# KiCad board weisse_cpu.kicad_pcb (continued)
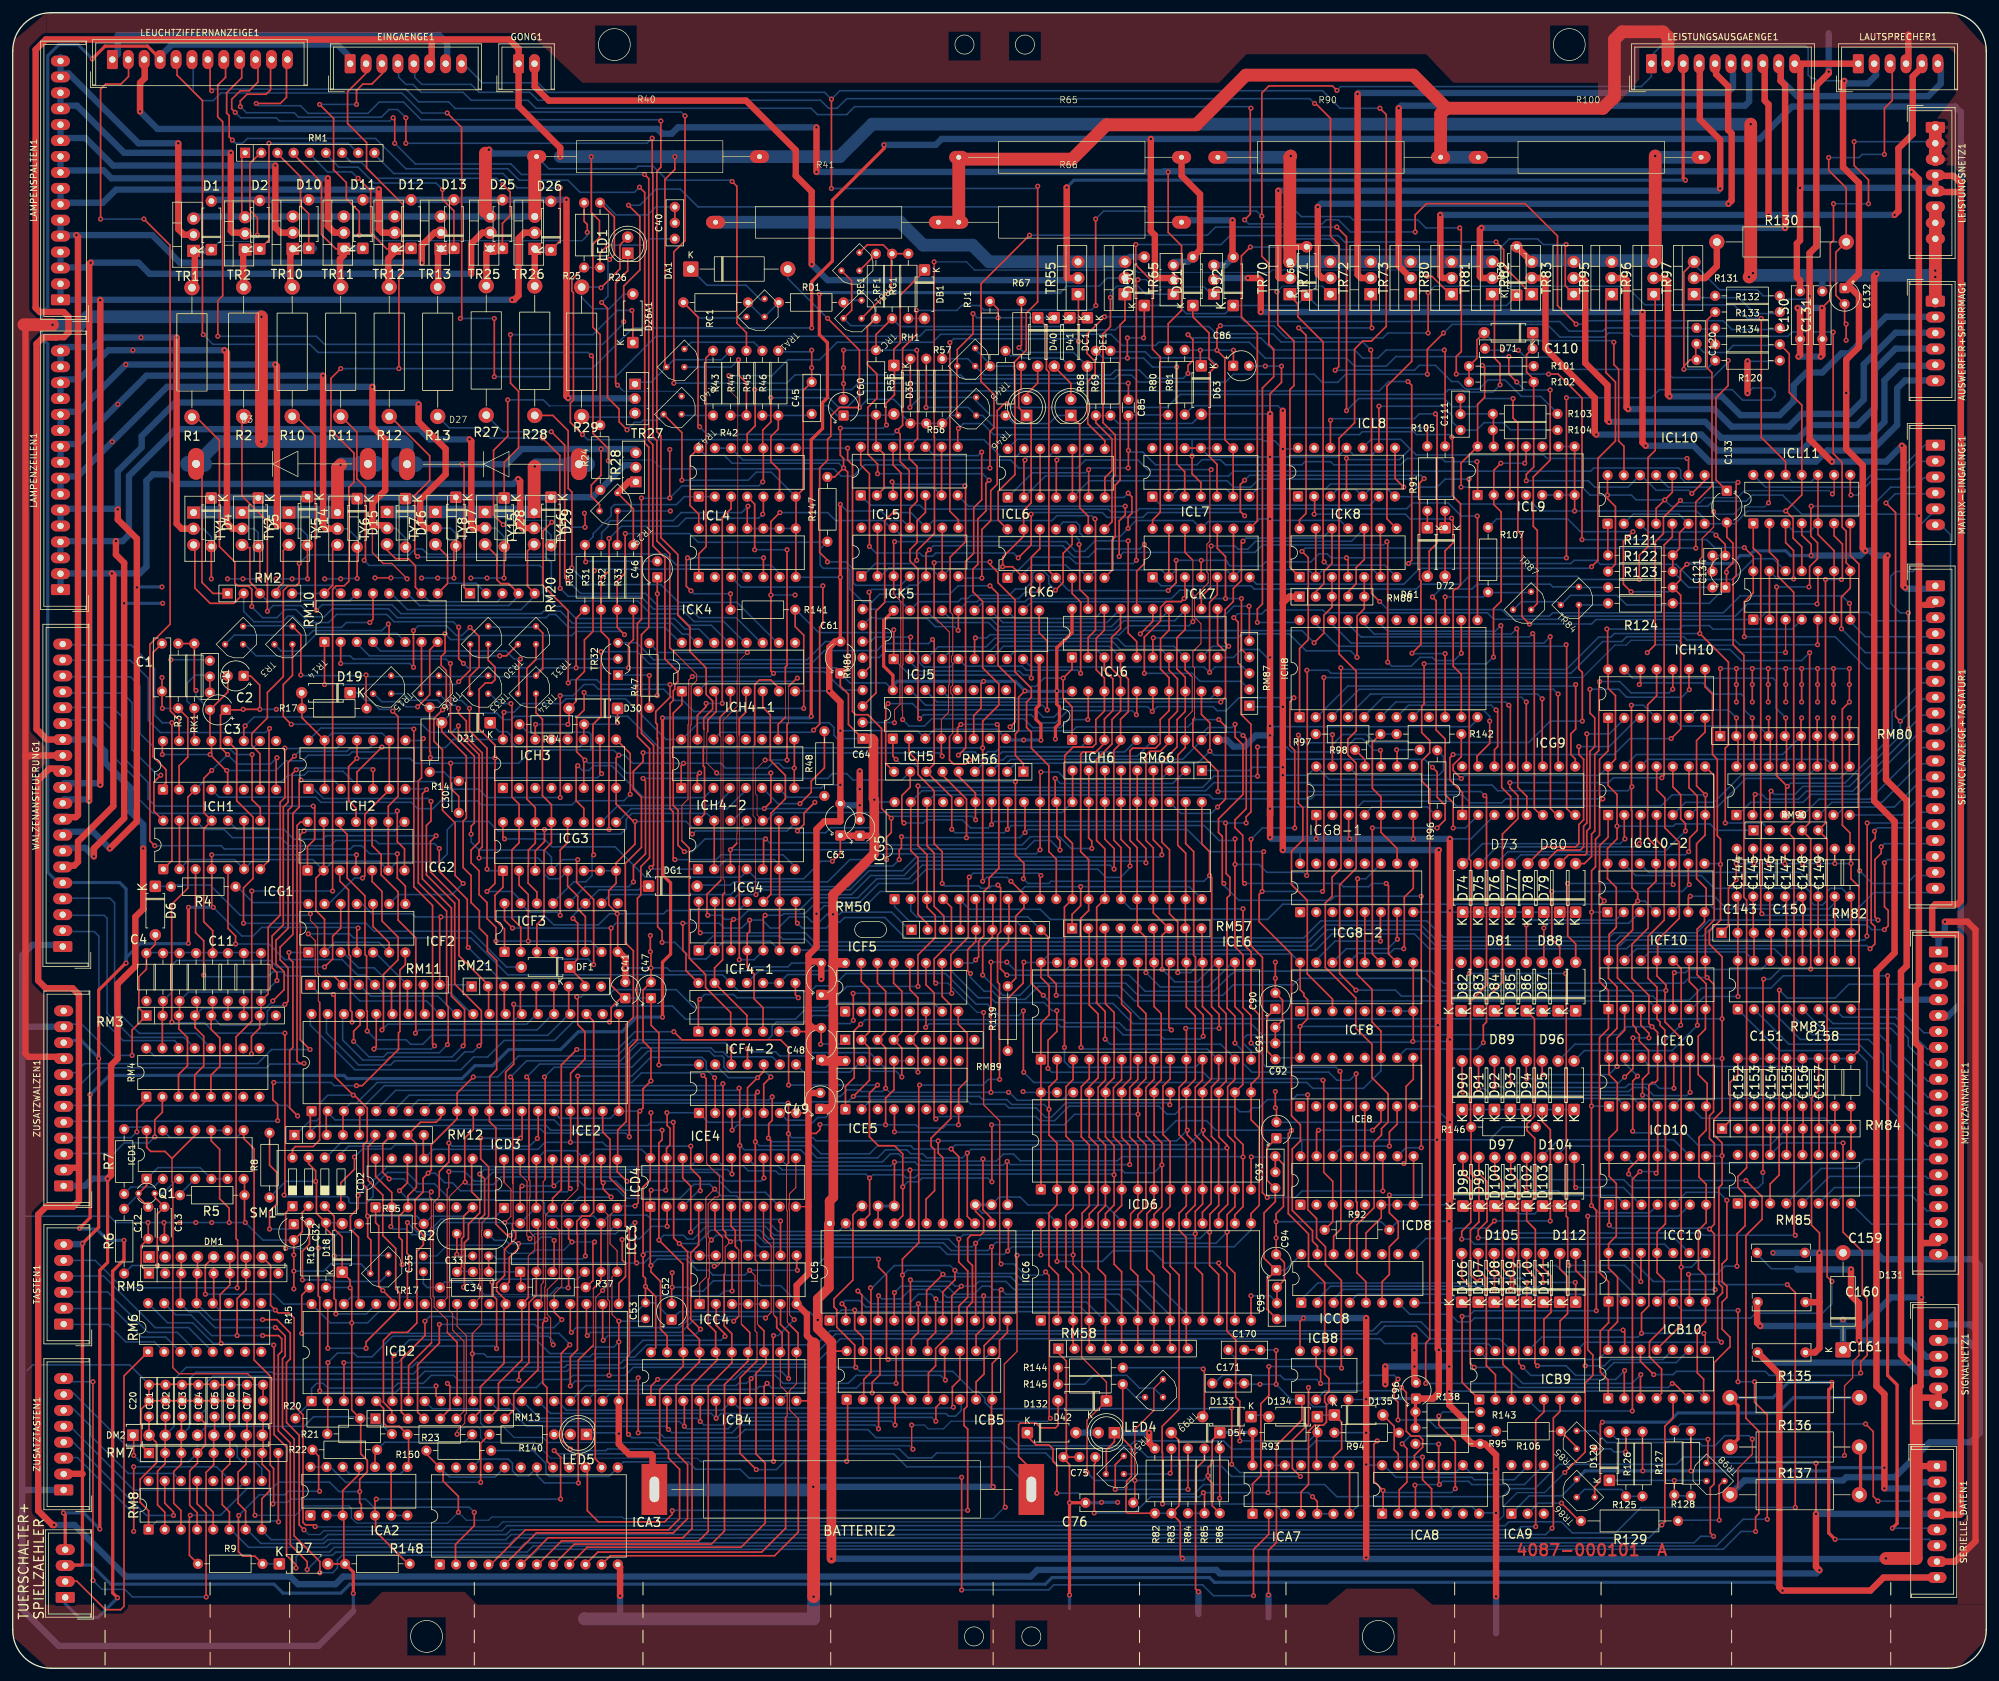
[diagram p0: board, top side]
## Routing (per net, layer and track width the routed paths; a pad name or vN(x,y) marks a point on that pad's centre or on a via; arc(x,y) is an arc through that point) (continued)
LIW3: length 33
  Bottom w0.25: 8.04,115.7 12.8,115.7 13.54,114.96 13.54,102.38 17.35,98.57 25.43,98.57 25.84,98.16 25.84,97.62
LIW3out: length 74.6
  Top w0.25: ICE2.37 54.56,101.06 53.55,100.05 v1(53.55,98.45) ; v1(64.5,146) 64.22,145.72 64.22,139.85 63.71,139.34 63.71,123.34 68.15,118.89 68.15,107.85 68.2,107.8 68.2,106.87 68.15,106.83 68.15,104.16 68.41,103.91 68.41,98.06 v1(68.28,97.94)
  Bottom w0.25: v1(68.28,97.94) 67.01,96.67 58.88,96.67 58.25,96.03 55.96,96.03 v1(53.55,98.45) ; 61.71,145.7 64.2,145.7 v1(64.5,146)
LIW4out: length 83.9
  Top w0.25: v1(66.25,97.75) 65.94,98.06 65.94,119.81 63,122.75 v1(63,147.5) ; ICE2.36 57.1,97.6 v1(56.75,97.25)
  Bottom w0.25: ICH2.14 48.38,147.65 62.85,147.65 v1(63,147.5) ; v1(66.25,97.75) 65.75,97.25 v1(56.75,97.25)
LIW5out: length 57.6
  Top w0.15: 50.56,108.61 48.47,108.61 47.9,109.17 47.9,116.3 46.75,117.45 v1(46.75,118.5)
  Top w0.25: RM11.3 50.56,108.61
  Bottom w0.25: 67.06,102.74 65,104.8 54.53,104.8 51.99,107.34 ; 25.09,123 31,123 35.75,118.25 46.5,118.25 v1(46.75,118.5) ; D6.1 24.79,122.8
LIZG: length 229.8
  Top w0.25: v1(207.73,203.86) 208.29,204.42 208.29,223.61 207,224.9 207,243.4 204.65,245.75 v1(204.5,245.75)
  Bottom w0.25: v1(204.5,245.75) 203.75,246.5 131,246.5 129.5,245 128.15,245 126.9,246.25 82.5,246.25 81.25,247.5 73.25,247.5 72,248.75 64.25,248.75 63.16,249.84 63.16,252 ; v1(207.73,203.86) 220.17,203.86 220.93,204.62 223.47,204.62 226.01,202.08 227.02,202.08 228.22,200.88 230.27,200.88 231.73,202.33 234.4,202.33 236.98,199.75 240,199.75 242.65,197.1
LIZG_: length 207.6
  Top w0.25: ICB10.6 260.98,44.73 v1(260.69,44.73) ; v1(232.6,158.8) 232.6,166.4 233.8,167.6 233.8,181.6 232.64,182.76 ICL9.2 232.64,188.14 v1(233.75,189.25) ; v1(237.5,189.25) 237.72,189.47 ICL9.11 ; v1(221.95,44.73) 221.95,51.07 222.58,51.71 222.58,138.07 221.31,139.34 221.31,142.51 222.58,143.78 222.58,145.69 221.31,146.96 221.31,151.06 221.75,151.5 221.7,151.55 v1(221.7,157.75)
  Bottom w0.25: v1(233.75,189.25) v1(237.5,189.25) ; v1(232.6,158.8) 232.52,158.8 231.48,157.75 v1(221.7,157.75) ; v1(260.69,44.73) 260.05,44.09 236.56,44.09 235.92,44.73 v1(221.95,44.73)
LIZGin: length 12.3
  Top w0.25: 232.59,196.9 232.59,191.92 ; C111.2 227.41,197.09
  Bottom w0.25: 232.49,197 227.5,197
LIZM: length 260.6
  Top w0.25: v1(220.3,225.57) 220.3,228.24 222.08,230.02 237.57,230.02 242.65,224.94 242.65,214.02 v1(245.57,211.09) ; v1(194.5,245) 194.39,244.89 194.39,228.37 v1(193.5,227.48)
  Bottom w0.25: v1(194.5,245) 194.25,245.25 132.25,245.25 131,244 126.4,244 125.4,245 82.18,245 80.93,246.25 72,246.25 70.75,247.5 64.12,247.5 62.88,248.75 61.75,248.75 60.62,249.88 60.62,252 ; v1(245.57,211.09) 246.84,211.09 247.37,211.62 268.66,211.62 270.04,210.25 277.37,210.25 ; v1(193.5,227.48) 194.14,226.84 205.69,226.84 206.33,227.48 208.23,227.48 210.14,225.57 v1(220.3,225.57)
LIZM_: length 228.8
  Top w0.25: ICL6.10 ICL6.5 ; v1(255.73,60.73) 255.75,60.75 ICC10.12 ; v1(243.92,109.11) 243.92,109.07 244.02,108.96 244.02,80.73 244.02,70.99 244.25,70.76 244.25,63.45 v1(244.43,63.27) ; v1(228.75,186.75) 228.79,186.71 228.79,127.06 229.02,126.83 229.02,109.33 v1(228.81,109.11)
  Bottom w0.25: v1(228.75,186.75) 225,186.75 223.75,185.5 220.5,185.5 219.25,186.75 195.75,186.75 194.5,185.5 191.75,185.5 190.75,186.5 169.08,186.5 ICL6.5 ; v1(228.81,109.11) v1(243.92,109.11) ; v1(244.43,63.27) 253.19,63.27 v1(255.73,60.73)
LIZMin: length 123.3
  Top w0.25: ICL6.8 171.54,192.8 168.86,195.47 168.86,202.08 170.03,203.24 170.03,205.22 168.75,206.5 168.75,209.5 v1(171.5,212.25) ; R134.1 R133.1
  Bottom w0.25: 264.5,210.5 250.25,210.5 249.75,210 244.5,210 243,211.5 239.7,211.5 239.69,211.5 238.31,211.5 238.3,211.5 232.46,211.5 232.46,211.5 230.3,211.5 230.3,211.5 193.5,211.5 192.75,212.25 v1(171.5,212.25) ; 267.29,210.33 264.67,210.33
LIZS: length 79.7
  Top w0.25: 58.08,252 58.08,250.48 56.4,248.8 55,248.8 54,247.8 v1(54,245.6) ; v1(48.2,245.6) 50.4,243.4 50.4,235.32 52.41,233.32 52.41,230.78 54.44,228.75 v1(54.44,225.06) ; R25.2 89.75,227.25 90.25,226.75 v1(90.25,225.5)
  Bottom w0.2: 89.75,224.5 89.45,224.2 57.72,224.2 56.85,225.06 v1(54.44,225.06)
  Bottom w0.25: v1(90.25,225.5) 90.25,225 89.75,224.5 ; v1(54,245.6) v1(48.2,245.6)
LIZS_: length 265.6
  Top w0.25: v1(159,189.75) 158.83,189.58 158.83,185.95 158.84,185.94 ICL6.2 ; ICC10.6 263.37,61.73 v1(263.23,61.87) ; v1(270.85,63.14) 270.85,68.22 272.12,69.49 272.12,74.38 270.97,75.53 270.97,77.22 272.36,78.61 272.36,120.65 271.93,121.08 271.93,159.07 270.25,160.75 270.25,171.13 270.72,171.6 270.72,185.97 v1(271,186.25)
  Bottom w0.25: v1(263.23,61.87) 267.67,61.87 268.94,63.14 v1(270.85,63.14) ; ICL6.11 162.67,190.25 159.5,190.25 v1(159,189.75) ; ICL6.2 162.21,187.25 191,187.25 191.75,188 247.86,188 248.36,188.5 261.67,188.5 262,188.17 262,187 262.75,186.25 271,186.25 v1(271,186.25)
LIZSin: length 116.9
  Top w0.25: v1(93.5,223.5) 92.25,222.25 R26.1 ; v1(89.5,193.75) 87.59,195.66 87.59,198.67 88.08,199.16 88.08,216.05 87.84,216.29 87.84,218.09 R25.1
  Bottom w0.25: R25.1 R26.1 ; ICL6.13 157.59,190.25 155.25,190.25 152.55,192.95 90.3,192.95 v1(89.5,193.75) ; C40.1 100,224.5 99,223.5 v1(93.5,223.5)
LS0: length 41.8
  Top w1: v1(26,239.5) 26,226 26.86,225.14 TR1.2
  Bottom w1: 7.5,253.02 7.5,250.48 8.77,250.48 19.75,239.5 v1(26,239.5)
LS1: length 47
  Top w1: 36.5,225.46 34.54,225.46 34.25,225.75 v1(34.25,238)
  Bottom w1: v1(34.25,238) 17.5,238 10.1,245.4 7.5,245.4 7.5,247.94
LS2: length 50.9
  Top w1: TR10.2 42.04,225.46 41.25,226.25 v1(41.25,236)
  Bottom w1: 7.5,242.86 7.5,240.32 11.43,240.32 15.75,236 v1(41.25,236)
LS3: length 55.5
  Top w1: TR11.2 50.54,225.46 49.5,226.5 v1(49.5,234)
  Bottom w1: 7.5,237.78 7.5,235.24 14.26,235.24 15.5,234 v1(49.5,234)
LS4: length 62.4
  Top w1: TR12.2 58.04,225.46 57.5,226 v1(57.5,232.25)
  Bottom w1: 7.5,232.7 7.5,230.16 14.16,230.16 16.22,232.22 57.47,232.22 v1(57.5,232.25)
LS5: length 161.4
  Top w1: TR13.2 66.26,225.46 64.25,223.45 v1(64.25,220.75) ; 7.85,133.67 9.92,133.67 10.25,134 10.25,224.83 v1(10,225.08)
  Bottom w1: v1(64.25,220.75) 26.25,220.75 21.92,225.08 v1(10,225.08) 7.5,225.08 7.5,227.62
LS6: length 165.4
  Top w1: v1(12,136.25) 12,220.5 v1(12.25,220.75) ; TR25.2 73.76,225.46 72,223.7 v1(72,219)
  Bottom w1: 7.5,222.54 7.5,220 11.5,220 v1(12.25,220.75) 19.75,220.75 21.5,219 v1(72,219) ; 7.85,136.21 8.1,136.46 11.79,136.46 v1(12,136.25)
LS7: length 169
  Top w1: v1(13.75,138.75) v1(13.75,214.85) 13.7,214.9 ; TR26.2 80.36,225.46 79.45,224.55 79.45,215.6 78.75,214.91 v1(78.44,214.91)
  Bottom w1: v1(13.75,138.75) 13.5,139 8.1,139 7.85,138.75 ; 7.5,217.46 LAMPENSPALTEN1.1 13.68,214.92 v1(13.75,214.85) 13.82,214.92 78.43,214.92 v1(78.44,214.91)
LSP: length 54.9
  Top w0.25: 295.23,252 295.23,246.23 294,245 v1(294,237.75) ; v1(285.25,237.25) 285.25,235.25 288,232.5 R130.2 286.38,222.38 286.38,215.62 C132.2 287.75,211.34 v1(287.99,211.09) v1(287.99,208.56)
  Bottom w0.25: v1(294,237.75) 290.5,237.75 290,237.25 v1(285.25,237.25)
Lu: length 31.1
  Top w0.25: ICF10.5 260.81,109.06 v1(261,109.25) ; 276,121 276,115.52 ; 276.22,111.29 276.22,115.3
  Bottom w0.25: RM83.14 274.68,109.75 263.25,109.75 262.75,109.25 v1(261,109.25)
LZ0: length 63.6
  Top w0.25: D4.2 v1(31.2,171.09)
  Top w1: v1(25.75,209) 25.75,179.75 26.54,178.96 TY1.2
  Bottom w0.25: TY1.2 29.94,178.96 31.2,177.7 D4.2
  Bottom w1: v1(25.75,209) v1(20.15,209) 14.25,209 12.75,207.5 7.5,207.5 7.5,204.96
LZ1: length 75.1
  Top w0.25: 38.82,175.92 v1(38.82,171.09)
  Top w1: TY2.2 34.54,178.96 33.65,179.85 33.65,206.6 v1(33.25,207)
  Bottom w0.25: v1(38.82,171.09) v1(36.15,171.09) v1(33.74,171.09) ; TY2.2 37.94,178.96 38.56,178.34 D5.2
  Bottom w1: 7.5,199.88 7.5,202.42 10.42,202.42 15,207 v1(18.88,207) v1(33.25,207)
LZ2: length 81.9
  Top w0.25: D14.2 46.3,171.1 v1(46.31,171.09)
  Top w1: v1(41.25,204.75) 41.5,204.5 41.5,179.5 42.85,179.5 TY5.2
  Bottom w0.25: TY5.2 45.24,178.96 46.3,177.9 D14.2 ; v1(41.36,171.09) v1(43.9,171.09) v1(46.31,171.09)
  Bottom w1: v1(41.25,204.75) v1(17.75,204.75) 10.34,197.34 7.5,197.34 7.5,194.8
LZ3: length 89.4
  Top w0.25: D15.2 v1(54.1,171.15)
  Top w1: v1(48.75,203) 48.75,179.41 49.19,178.96 TY6.2
  Bottom w0.25: D15.2 54.1,177.5 52.64,178.96 TY6.2 ; v1(54.1,171.15) 51.58,171.15 v1(51.52,171.09) v1(49,171.09)
  Bottom w1: 7.5,189.72 7.5,192.26 10.26,192.26 v1(16.5,198.5) 21,203 v1(48.75,203)
LZ4: length 104.8
  Top w0.2: v1(61.95,171.1) 59.55,173.5 58.2,173.5 56.5,175.2 56.5,179.5 ; v1(56.9,171.25) v1(59.4,171.25)
  Top w1: v1(56.5,201.25) 56.5,195 58.5,193 58.5,185 56.5,183 56.5,179.5 58.36,179.5 TY7.2
  Bottom w0.2: v1(61.95,171.1) 61.8,171.25 v1(59.4,171.25)
  Bottom w0.25: D16.2 61.7,177.5 60.14,179.06 TY7.2
  Bottom w1: v1(56.5,201.25) 24.25,201.25 v1(15.62,192.62) 10.18,187.18 7.5,187.18 7.5,184.64
LZ5: length 179.4
  Top w0.25: 69.3,175.98 v1(69.3,171.22)
  Top w1: TY8.2 64.94,179.06 64,180 64,183.5 68,187.5 68,191.5 63.75,195.75 v1(63.75,198.5) ; v1(16.5,182) 16.5,180.4 19.5,177.4 v1(19.5,169.75) 19.5,133 v1(15.25,128.75)
  Bottom w0.25: v1(69.3,171.22) v1(66.76,171.22) v1(64.22,171.22) ; TY8.2 68.74,179.06 69.6,178.2 D17.2
  Bottom w0.5: v1(19.5,169.75) 19.57,169.82 v1(23.44,169.82) 23.51,169.75
  Bottom w1: 7.85,131.13 8.1,131.38 12.62,131.38 v1(15.25,128.75) ; 7.5,179.56 7.5,182.1 16.4,182.1 v1(16.5,182) 16.5,188 20.25,191.75 20.25,193.5 25.53,198.78 63.47,198.78 v1(63.75,198.5)
LZ6: length 175.2
  Top w0.25: v1(77.17,171.22) 77.2,171.25 D28.2
  Top w1: v1(12.75,127.5) 12.75,128.75 17.5,133.5 v1(17.5,167.25) 17.5,173.6 16.21,174.89 v1(16.21,177.02) ; TY15.2 72.29,179.06 72.03,179.33 72.03,192.72 v1(71.75,193)
  Bottom w0.25: D28.2 77.2,177.7 75.84,179.06 TY15.2 ; v1(77.17,171.22) v1(74.5,171.22) v1(71.96,171.22)
  Bottom w0.5: v1(23.55,167.25) v1(17.5,167.25)
  Bottom w1: v1(71.75,193) 65.5,193 63.9,194.6 25.9,194.6 25.75,194.75 18.25,187.25 18.25,178 17.27,177.02 v1(16.21,177.02) 7.5,177.02 7.5,174.48 ; 7.85,128.59 8.1,128.84 11.41,128.84 v1(12.75,127.5)
LZ7: length 163.4
  Top w0.25: v1(89.9,179.2) 89.9,181.3 v1(89.8,181.4)
  Top w1: 7.85,126.05 9.65,126.05 10.25,126.65 10.25,129.85 15.8,135.4 15.8,171.72 v1(15.57,171.94) ; TY16.2 80.04,179.06 79.7,179.4 79.7,186.45 v1(79.4,186.75)
  Bottom w0.25: v1(89.9,179.2) 87.3,179.2 84.54,176.44 ; D29.2 84.54,177.96 83.44,179.06 TY16.2
  Bottom w1: LAMPENZEILEN1.1 7.5,171.94 v1(15.57,171.94) 19.94,171.94 21,173 21,186.5 22,187.5 24.5,187.5 26,186 78.65,186 v1(79.4,186.75)
LZB3: length 88.5
  Top w0.25: ICG3.12 87.16,129.66 86,128.5 v1(86,118.25) ; v1(65.61,143.02) 65.61,143.91 65.5,144.03 R14.2 ; TR30.2 74.69,158.31 75.75,157.25 75.75,155.25 75.25,154.75 74.25,154.75 73.25,153.75 73.25,147.5 75.75,145 v1(75.75,143) 75.75,123.25 v1(74.5,122)
  Bottom w0.25: ICF3.15 81.16,118.75 85.5,118.75 v1(86,118.25) ; v1(74.5,122) 78.41,122 79.79,120.62 ; v1(65.61,143.02) 65.64,143 v1(75.75,143)
LZB3x8: length 67.8
  Top w0.25: ICH4-2.2 107.54,140.25 v1(107.9,140.61) ; v1(89.75,153.25) 89.75,150.5 88.57,149.32 88.57,143.94 v1(89.87,142.64) 89.7,142.47 ICH3.6 ; C46.1 v1(101.25,168.75) v1(101.25,152.75)
  Bottom w0.25: v1(89.75,153.25) 90.25,152.75 v1(101.25,152.75) ; v1(89.87,142.64) 90.31,142.2 94.8,142.2 96.39,140.61 v1(107.9,140.61)
LZG0: length 45.4
  Top w0.25: v1(56.09,164.23) 56.59,164.73 RM10.13 ; 28.6,176.23 28.6,169.65 31,167.25 34.73,167.25 RM2.2
  Bottom w0.25: v1(56.09,164.23) 52.41,164.23 51.64,163.47 45.78,163.47 44,165.25 43.25,165.25 42.36,164.36 37.89,164.36 36.28,165.97 RM2.2
LZG1: length 24.6
  Top w0.25: 36.45,176 37.25,176 37.25,170.6 38.82,169.03
  Bottom w0.25: RM2.3 39.94,167.68 52.92,167.68 RM10.14
LZG2: length 19.1
  Top w0.25: 41.36,169.36 42.5,170.5 42.5,175.54 TY5.3
  Bottom w0.25: RM10.15 50.24,170.07 42.63,170.07 RM2.4
LZG3: length 13.5
  Top w0.25: TY6.3 50.25,175.67 50.25,170.08 RM10.16
  Bottom w0.25: RM10.16 43.9,168.8
LZG4: length 24.7
  Top w0.25: TY7.3 58.8,175.6 60.15,174.25 62.15,174.25 63.25,173.15 63.25,169.76 RM10.10
  Bottom w0.25: RM10.10 65.51,167.5 76.12,167.5 76.92,168.3
LZG5: length 18.1
  Top w0.25: TY8.3 68.3,174.62 68.3,170.35 RM10.9
  Bottom w0.25: RM10.9 68.35,170.4 72.78,170.4 RM20.2
LZG6: length 29.5
  Top w0.25: RM20.4 77.91,170.35 76.65,170.35 76.05,170.95 76.05,174.67 TY15.3
  Bottom w0.25: 61.99,168.8 63.89,166.9 77.93,166.9 79.46,168.42
LZG7: length 33.1
  Top w0.25: RM20.5 80.85,169.95 80.85,175.47 TY16.3
  Bottom w0.25: 59.45,168.8 62,166.25 79.82,166.25 82,168.42
M1A: length 50.4
  Top w0.25: ICG1.1 25,126.85 v1(25,148.5)
  Bottom w0.25: v1(25,148.5) 23.5,148.5 22.28,149.72 22.28,157.02 18.6,160.7 8.76,160.7 7.85,161.61
M1Ain: length 59.3
  Top w0.25: v1(30,108.86) 30,114.25 28.72,115.53 28.72,125.5
  Bottom w0.25: 54.84,106.93 56.21,105.56 66.78,105.56 69.6,102.74 ; v1(30,108.86) 30.26,108.6 40.08,108.6 40.85,109.37 42.37,109.37 43.01,108.73 52.97,108.73 RM11.4
M1B: length 63.2
  Top w0.25: v1(40.34,147.59) 40.25,147.5 40.25,126.87 38.88,125.5
  Bottom w0.25: v1(40.34,147.59) 39.71,146.96 23.19,146.96 21.29,148.87 21.29,155.47 18.46,158.3 8.62,158.3
M1Bin: length 53.9
  Top w0.25: ICG1.5 33.81,116.19 35,115 v1(35,113.75)
  Bottom w0.25: 72.14,102.74 68.81,106.07 58.18,106.07 RM11.5 55.39,108.86 54.18,108.86 51.75,111.29 42.71,111.29 40.25,113.75 v1(35,113.75)
M2A: length 49.2
  Top w0.25: v1(37.6,143.5) 37.6,136.4 38.88,135.12 38.88,133.12
  Bottom w0.25: 8.68,155.7 18.52,155.7 20,154.22 20,146.8 22.38,144.42 34.09,144.42 35.01,143.5 v1(37.6,143.5)
M2Ain: length 65.8
  Top w0.25: v1(66.5,130.75) 65.61,129.86 65.61,125.09 70.1,120.6 70.1,111.9 74.63,107.37 ; 74.75,106.96 74.75,102.81
  Bottom w0.25: ICG1.10 35.18,131.75 42.6,131.75 44.15,130.2 48.68,130.2 49.23,130.75 v1(66.5,130.75)
M2B: length 32.4
  Top w0.25: v1(23.25,140.25) 22.18,139.18 22.18,134.59 ICG1.14
  Bottom w0.25: 8.69,153.15 17.26,153.15 18.75,151.66 18.75,144.25 22.75,140.25 v1(23.25,140.25)
M2Bin: length 70.4
  Top w0.25: v1(71.55,113.2) 71.4,113.35 71.4,120.75 67,125.15 v1(67,128.75) ; 77.22,106.96 77.22,102.74
  Bottom w0.25: 28.72,133.12 30.12,131.72 33.23,131.72 34.5,130.45 42.12,130.45 43.39,129.18 49.93,129.18 50.75,130 57,130 57.5,129.5 66.25,129.5 v1(67,128.75) ; 77.17,107.58 v1(71.55,113.2)
M3A: length 61
  Top w0.25: ICG2.1 46.3,129.04 47.43,130.17 47.43,135.18 v1(47.2,135.4)
  Bottom w0.25: 8.4,150.9 15.7,150.9 17.5,149.1 17.5,142.88 21.25,139.13 21.25,136.55 22.4,135.4 v1(47.2,135.4)
M3Ain: length 55.8
  Top w0.25: v1(53.29,101.49) 53.29,103.06 53.04,103.32 53.04,111.84 52.79,112.09 52.79,112.92 52.75,112.96 52.75,122.25 51.38,123.62 ICG2.3 ; 79.75,106.95 79.75,102.75
  Bottom w0.25: v1(53.29,101.49) 53.41,101.62 78.63,101.62 79.76,102.74
M3B: length 72.5
  Top w0.25: v1(60.41,134.64) 60.41,129.81 61.54,128.68 ICG2.7
  Bottom w0.25: 7.85,148.91 14.01,148.91 16.08,146.83 16.08,142.9 19.89,139.09 19.89,136.42 22.05,134.26 60.03,134.26 v1(60.41,134.64)
M3Bin: length 57.2
  Top w0.25: 82.25,106.91 82.25,102.79 ; v1(58,100.25) 58.23,100.48 58.23,108.97 60.53,111.27 60.53,114.83 58,117.36 58,122 56.46,123.54 ICG2.5
  Bottom w0.25: 82.3,102.74 80.72,101.16 58.91,101.16 v1(58,100.25)
M4A: length 92
  Top w0.25: v1(46.69,97.18) 45.18,98.69 45.18,130.93 v1(45.75,131.5)
  Bottom w0.25: 8,93.53 9.83,93.53 11.25,94.95 38.45,94.95 40.68,97.18 v1(46.69,97.18) ; 61.7,133.2 60,131.5 v1(45.75,131.5)
M4Ain: length 63.1
  Top w0.25: v1(63.25,99.75) 63.31,99.81 63.31,114.72 60.53,117.5 60.53,121.94 57.88,124.6 57.88,127.77 56.46,129.19 ICG2.10 ; 85,107.12 85,102.9
  Bottom w0.25: 84.84,102.74 82.35,100.25 63.75,100.25 v1(63.25,99.75)
M4B: length 79.5
  Top w0.25: ICG2.14 45.22,132.92 44.66,132.35 44.66,95.4 45.06,95 v1(45.75,95)
  Bottom w0.25: 8,90.99 9.94,90.99 13.25,94.3 39.83,94.3 40.42,94.89 45.64,94.89 v1(45.75,95)
M4Bin: length 73.2
  Top w0.25: v1(55.68,100.07) 55.68,102.26 55.69,102.27 55.69,103.21 55.58,103.32 55.58,111.84 55.33,112.09 55.33,121.31 52.53,124.1 52.53,130.96 51.38,132.11 ICG2.12 ; 87.33,102.99 RM21.7
  Bottom w0.25: v1(55.68,100.07) 57.05,98.7 61.8,98.7 62.5,98 64.4,98 65.8,99.4 84.04,99.4 87.38,102.74
M5A: length 67.1
  Top w0.25: v1(44.75,86.75) 43.5,88 43.5,97 44,97.5 44,110.91 43.39,111.53 v1(43.39,112.42)
  Bottom w0.25: ICF2.1 v1(43.39,112.42) ; 8.05,88.4 43.1,88.4 v1(44.75,86.75)
M5Ain: length 13.9
  Top w0.25: 59.5,107.08 59.5,102.8
  Bottom w0.25: 51.9,112.42 54.31,110 56.78,110 RM11.6
M5B: length 77.9
  Top w0.25: ICF2.7 61.68,110.51 60.81,109.65 60.81,100.01 60.6,99.8 60.6,97.2 54.9,91.5 v1(54,91.5) ; v1(41.61,86) 41.61,88.54 40.85,89.3 40.85,91.85 v1(41,92)
  Bottom w0.25: v1(41,92) 50,92 50.5,91.5 v1(54,91.5) ; v1(41.61,86) 41.52,85.91 8,85.91
M5Bin: length 11.5
  Top w0.25: 62,107.04 62,102.76
  Bottom w0.25: 56.91,112.42 RM11.7
MEM_RD: length 277.6
  Top w0.15: v1(83.75,54.75) 83.58,54.92 83.58,59.83 83.7,59.95 83.7,71.2 ICD3.4
  Top w0.25: ICA3.17 83.91,32.51 83.91,44.09 83.25,44.75 83.25,54.25 v1(83.75,54.75) ; 138.72,70 139.8,71.08 v1(139.8,75.6) 139.8,80.77 138.51,82.06 135.97,82.06 134.57,83.46 134.57,90.32 v1(135.84,91.59) ; v1(64.75,54.5) 64.75,52.25 61.05,48.55 61.05,40.23 RM13.3 ; v1(103.84,99.97) 105.11,98.7 120.6,98.7 121.87,97.43 v1(121.87,91.59) ; 176.72,69.74 176.72,71.22 178,72.5 178,82.2 176.75,83.45 v1(176.75,87) 176.74,87.01 ICD6.22 176.74,91.34 178,92.6 178,102.8 176.74,104.06 ICE6.22 ; v1(88.6,97.18) 86.17,94.75 86.17,75.17 84.79,73.79 ICD3.4 ; v1(153.8,76.4) 153.8,85.3 v1(153.75,85.35)
  Bottom w0.25: v1(88.6,97.18) 94.95,97.18 97.74,99.97 v1(103.84,99.97) ; v1(153.75,85.35) 165.15,85.35 166.8,87 v1(176.75,87) ; v1(139.8,75.6) 140.6,76.4 142.25,76.4 142.83,76.98 153.22,76.98 v1(153.8,76.4) ; v1(83.75,54.75) 69.75,54.75 69.25,55.25 65.5,55.25 v1(64.75,54.5) ; v1(135.84,91.59) v1(121.87,91.59)
MEM_WR: length 210.5
  Top w0.15: ICD3.7 93.48,71.22 93.48,57.91 93.74,57.65 93.74,46.05 v1(93.68,46)
  Top w0.25: v1(191.47,32.02) v1(191.47,40.92) ; v1(68.28,44.73) 68.67,44.33 68.67,40.71 RM13.5 ; v1(132.42,47.26) 132.25,47.43 132.25,50.75 129.44,53.56 129.44,56.31 129,56.75 129,58 131.98,60.98 131.98,71.24 133.4,72.67
  Bottom w0.25: v1(68.28,44.73) 68.91,44.09 82.25,44.09 83.52,45.36 87.33,45.36 87.97,46 v1(93.68,46) 96.22,46 97.49,47.26 v1(132.42,47.26) 133.05,46.63 147.65,46.63 150.83,43.45 151.66,43.45 152.73,42.38 152.73,41.73 153.69,40.77 191.33,40.77 v1(191.47,40.92) ; v1(191.47,32.02) 192.75,30.74 201.24,30.74 ICA7.11
MK: length 95.4
  Top w0.25: ICB10.12 255.68,48.21 v1(257.76,46.12) ; v1(290.28,46.38) 290.28,48.15 291.29,49.17 291.29,58.06 290.53,58.82 290.53,65.47 287.5,68.5 v1(287.5,82.5) ; RM84.4 276.12,80.69 ; 276.23,88.11 276.23,85.05
  Bottom w0.25: v1(287.5,82.5) 277.93,82.5 RM85.14 ; v1(290.28,46.38) 289.89,46 275.93,46 275.29,46.63 261.32,46.63 260.81,46.12 v1(257.76,46.12)
MP: length 148.6
  Top w1: v1(194.01,218.33) 195.66,218.33 196.04,217.95 v1(196.04,213) ; v1(256.5,192) 256,192.5 v1(256,213)
  Bottom w1: 188.68,218.33 v1(194.01,218.33) ; 301.75,202.25 297.25,202.25 296,201 296,195.25 292,191.25 285,191.25 283.25,189.5 266.5,189.5 264,192 v1(256.5,192) ; v1(196.04,213) v1(256,213)
MPin: length 35.5
  Top w0.25: ICJ5.16 148.54,163.04 v1(148.5,163) ; v1(161.24,169.19) 161.33,169.27 ICK6.3
  Bottom w0.25: RM86.8 134.72,165 135.5,165 135.63,164.87 143.63,164.87 144.9,163.6 147.9,163.6 v1(148.5,163) ; v1(161.24,169.19) 161.06,169 159,169 158,168 152,168 151.5,167.5 149.92,167.5 ICJ5.16
NF: length 351.6
  Top w0.25: v1(271,56.2) v1(271,45) ; DM1.7 RM5.7 36.64,59.44 35.25,58.05 v1(35.25,52.25) ; v1(39.25,52.25) 41.75,52.25 42.25,51.75 42.25,49.75 41.71,49.21 41.71,37.29 43.6,35.4 43.6,19.4 46.25,16.75 v1(46.25,15.5) ; v1(275.6,23.4) 275.6,39.8 273.6,41.8 v1(273.6,45)
  Bottom w0.25: RM6.15 25.62,55.5 28,55.5 31.25,52.25 v1(35.25,52.25) v1(39.25,52.25) ; v1(271,56.2) 262.23,56.2 ICC10.5 ; v1(46.25,15.5) 48.5,17.75 50.25,17.75 50.75,18.25 80.79,18.25 81.74,19.2 267.6,19.2 271.8,23.4 v1(275.6,23.4) ; v1(271,45) v1(273.6,45)
nRD: length 75.9
  Top w0.15: v1(68.5,78) 68.5,75.5 68.24,75.24 68.24,58.18 ICB2.32
  Top w0.25: ICD4.13 117.93,77.07 v1(118,77)
  Bottom w0.25: v1(68.5,78) 71,78 72.5,76.5 74,76.5 75.38,77.88 110.62,77.88 112,76.5 117.5,76.5 v1(118,77)
nWR: length 125.1
  Top w0.15: ICD4.11 123.01,75.51 122,74.5 122,73.01 121.93,72.95 121.93,72.05 122.03,71.96 122.03,55.47 v1(122.75,54.75) ; v1(69.8,36.75) 69.8,37.3 71,38.5 71,39.75 71.25,40 71.25,52.25 69.8,53.7 ICB2.31
  Top w0.25: v1(119.5,32.5) 119.44,32.56 119.44,52.19 v1(119.5,52.25)
  Bottom w0.15: 108,32.5 107.5,33 84.5,33 82,35.5 74.25,35.5 73.5,36.25 73.5,37.5 73,38 71.05,38 v1(69.8,36.75)
  Bottom w0.25: v1(122.75,54.75) 120.25,52.25 v1(119.5,52.25) ; 108,32.5 v1(119.5,32.5)
OPAMP_NEGATIV: length 174.3
  Top w0.25: 159.97,196.03 159.97,183.03 158.79,181.84 ICK6.13 158.79,177.79 155.5,174.5 v1(155.5,173) 157.04,173 ICK6.2 ; ICK8.9 ICK8.6 ; ICK5.9 ICK5.6 ; ICK7.13 ICK7.2 ; ICK5.13 ICK5.2 ; LED2.1 158.02,197.98 158.02,200.57 158.4,200.95 158.4,203.98 ; ICK8.13 ICK8.2 ; ICK7.9 ICK7.6
  Bottom w0.25: 151.19,207.14 153.5,204.83 ; 146,171 144.2,172.8 137.64,172.8 135.84,171 ; ICK8.6 213.71,172.5 205.8,172.5 ICK8.2 203.55,172.5 192.9,172.5 ICK7.6 190.62,172.47 182.71,172.47 ICK7.2 180.46,172.47 170.18,172.47 ICK6.6 167.71,172.49 166.2,172.49 165.44,173.25 160.1,173.25 158.79,171.94 ICK6.2 ; ICK5.6 147.12,172.62 155.12,172.62 v1(155.5,173) ; RJ1.1 158.4,204.49
OUT_A0: length 125.9
  Top w0.1: 111.24,123.75 111.24,146.29 111.08,146.45
  Top w0.25: v1(173,125.5) 173,128.75 171.54,130.21 ICG5.27 ; 111.08,146.45 111.08,149.33 112.73,150.98 ICH4-1.4 ; v1(109.17,118.26) 109.05,118.38 109.05,121.56 111.24,123.75 ; RM66.7 171.56,136.06 ; ICF4-1.3 112.83,117.22 v1(113.24,117.62)
  Bottom w0.25: v1(109.17,118.26) 111.21,118.26 111.84,117.62 v1(113.24,117.62) 114.13,117.62 115.5,119 123.53,119 125.5,120.97 125.5,121 132.75,121 135.75,124 140.75,124 142.88,126.13 172.37,126.13 v1(173,125.5)
OUT_A1: length 129.8
  Top w0.1: 114.13,146.58 114.13,146.32 114.11,146.3 114.11,137.82 114.13,137.8 114.13,126
  Top w0.25: ICG5.26 174.08,130.17 175.5,128.75 v1(175.5,126) ; RM66.6 174.1,136.06 ; 115.16,153.33 115.16,150.16 114.13,149.13 114.13,146.58 ; v1(114.13,111.27) 114.13,126 ; v1(118.19,118.26) 117.91,117.98 ICF4-1.5
  Bottom w0.25: v1(175.5,126) 175.5,125.7 174,124.2 171.73,124.2 170.43,125.5 143.5,125.5 141.25,123.25 136,123.25 133,120.25 126.15,120.25 124.4,118.5 121.1,118.5 120.86,118.26 v1(118.19,118.26) ; v1(114.13,111.27) 116.43,111.27 ICF4-1.5
OUT_A2: length 113.9
  Top w0.25: RM66.5 176.64,136.06 ; v1(178,126.5) 178,128.75 176.62,130.13 ICG5.25 ; ICF4-1.10 119.08,121.54 119.08,134.26 121.37,136.55 121.37,140.23 119,142.59 119,149.75 117.81,150.94 ICH4-1.6
  Bottom w0.25: v1(178,126.5) 177.73,126.77 142.27,126.77 140,124.5 134.75,124.5 131.75,121.5 119.04,121.5 ICF4-1.10
OUT_A3: length 122.4
  Top w0.1: v1(116.75,121.5) 116.69,121.56 116.69,133.48 116.29,133.88 116.29,144.8 116.54,145.06
  Top w0.25: 116.54,145.06 116.54,154.45 117.3,155.22 119.08,155.22 120.35,153.94 ; ICG5.24 179.16,130.09 180.5,128.75 v1(180.5,127.75) ; RM66.4 179.18,136.06
  Bottom w0.25: ICF4-1.12 113.96,121.5 v1(116.75,121.5) 117.5,122.25 131.5,122.25 134.5,125.25 139.75,125.25 141.9,127.4 180.15,127.4 v1(180.5,127.75)
OUT_B0: length 133.9
  Top w0.1: 113.75,129.56 113.75,131.09 113.78,131.12 113.78,146.4 113.75,146.43 113.75,150.13 114.13,150.52 114.13,158.26 v1(115.4,159.53)
  Top w0.25: ICG4.3 v1(112.73,128.54) 113.75,129.56 ; v1(161.5,140.75) 161.38,140.63 ICG5.31 161.38,128.55 v1(161.37,128.54)
  Bottom w0.25: v1(115.4,159.53) 101.47,159.53 R47.2 ; v1(161.5,140.75) 164.25,140.75 165.41,139.59 180.31,139.59 RM66.3 ; v1(112.73,128.54) 135.34,128.54 135.97,127.91 160.74,127.91 v1(161.37,128.54)
OUT_B1: length 125.8
  Top w0.25: ICH4-1.1 105.11,151.36 103.75,150 103.75,135.5 104.5,134.75 104.5,129.25 v1(105.5,128.25) ; 164,135.96 164,130.5 164.5,130 v1(164.5,128.5) ; 117.94,125.63 117.94,129.94 v1(118.25,130.25) ; 163.75,136.21 v1(163.75,139.75)
  Bottom w0.25: v1(163.75,139.75) 164.54,138.96 182.22,138.96 RM66.2 ; v1(164.5,128.5) 163,130 160.5,130 159.17,128.67 137.08,128.67 136.12,129.62 118.88,129.62 v1(118.25,130.25) 108.75,130.25 106.75,128.25 v1(105.5,128.25)
OUT_B2: length 98.4
  Top w0.1: 121.87,154.2 121.84,154.16 121.84,148.45 ; ICG4.10 116.92,134.01 116.92,137.05 116.65,137.32 116.65,141.1 v1(118.19,142.64)
  Top w0.25: v1(123.25,155.5) 123.18,155.5 121.87,154.2 ; v1(121.62,142.64) 121.62,148.23 121.84,148.45 ; RM66.9 166.48,136.06
  Bottom w0.25: ICH4-1.2 109.21,155 122.75,155 v1(123.25,155.5) ; v1(121.62,142.64) v1(118.19,142.64) ; 118.33,133.02 119.7,134.39 164.81,134.39 ICG5.29
OUT_B3: length 109.8
  Top w0.1: 109.17,147.09 109.03,146.94 109.03,142.15 v1(110.57,140.61)
  Top w0.25: ICG5.28 169,130.4 169.5,129.9 v1(169.5,128.75) ; 110.5,153.13 110.5,150.25 109.17,148.92 109.17,147.09 ; v1(123.25,131.5) 124.29,132.54 124.29,134.29 v1(126,136) ; v1(119.08,140.61) 119.08,136.04 v1(118.06,135.02) ; RM66.8 169.02,136.06
  Bottom w0.25: v1(123.25,131.5) 123.54,131.21 127.69,131.21 128.48,132 135,132 137.69,129.31 158.56,129.31 159.85,130.6 164.4,130.6 166.25,128.75 v1(169.5,128.75) ; v1(119.08,140.61) 118.83,140.36 110.82,140.36 v1(110.57,140.61) ; 113.09,133.12 114.97,135 125,135 v1(126,136)